# Altium PCB omni_wheel_car_frame.PcbDoc
Units mil, origin at the board's own origin, x right, y up, seen from the top; angles counter-clockwise.
Board outline 4820 x 4820 mil, 2 copper layers (Top Layer, Bottom Layer); 85 components, 75 nets, 366 pads, 76 vias.
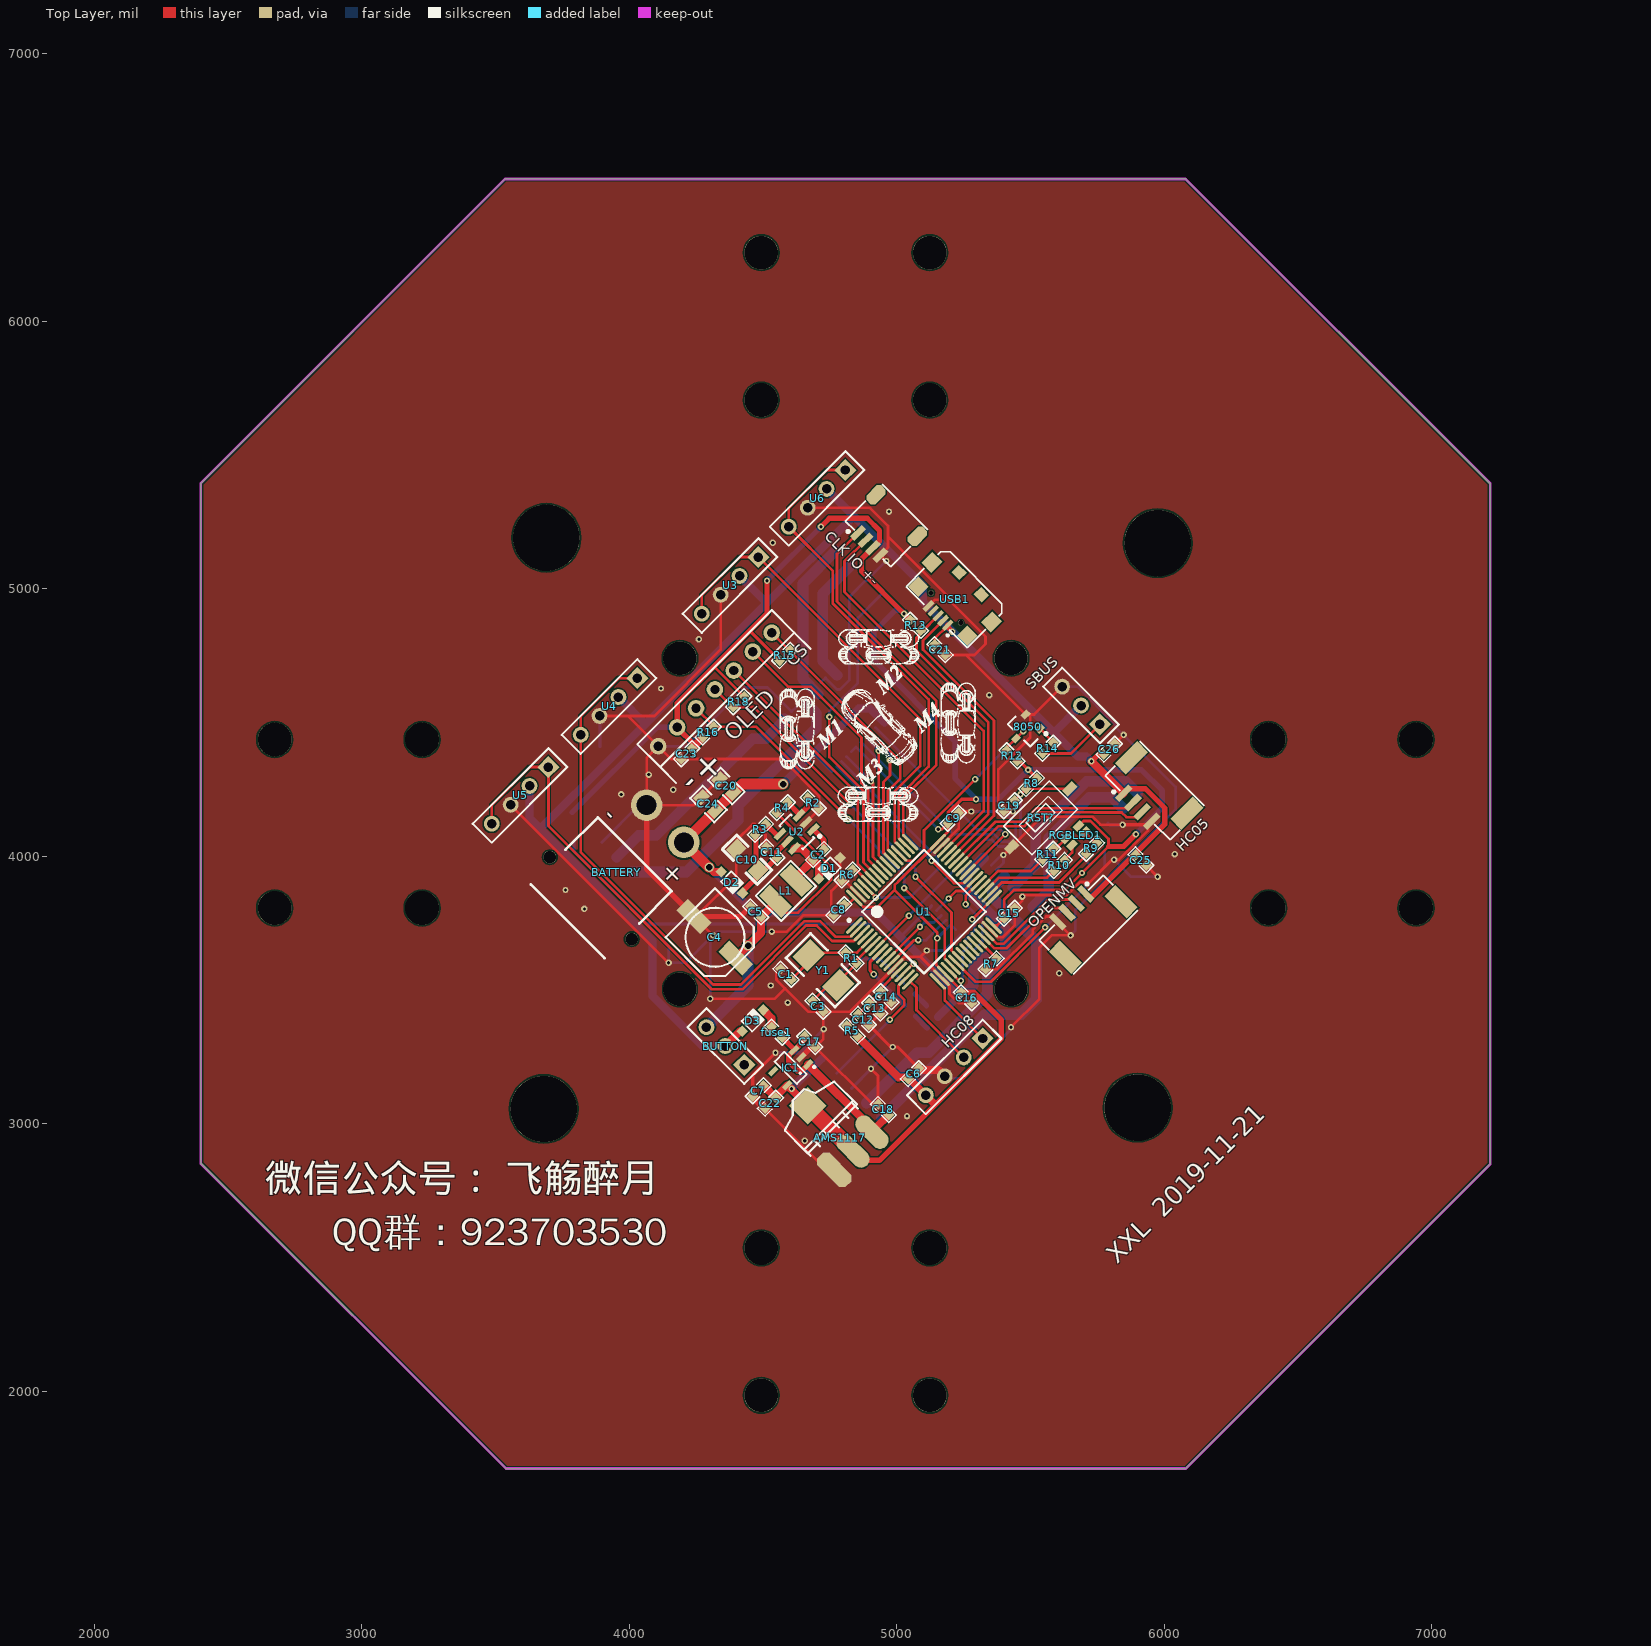
[diagram p0: Top Layer view]
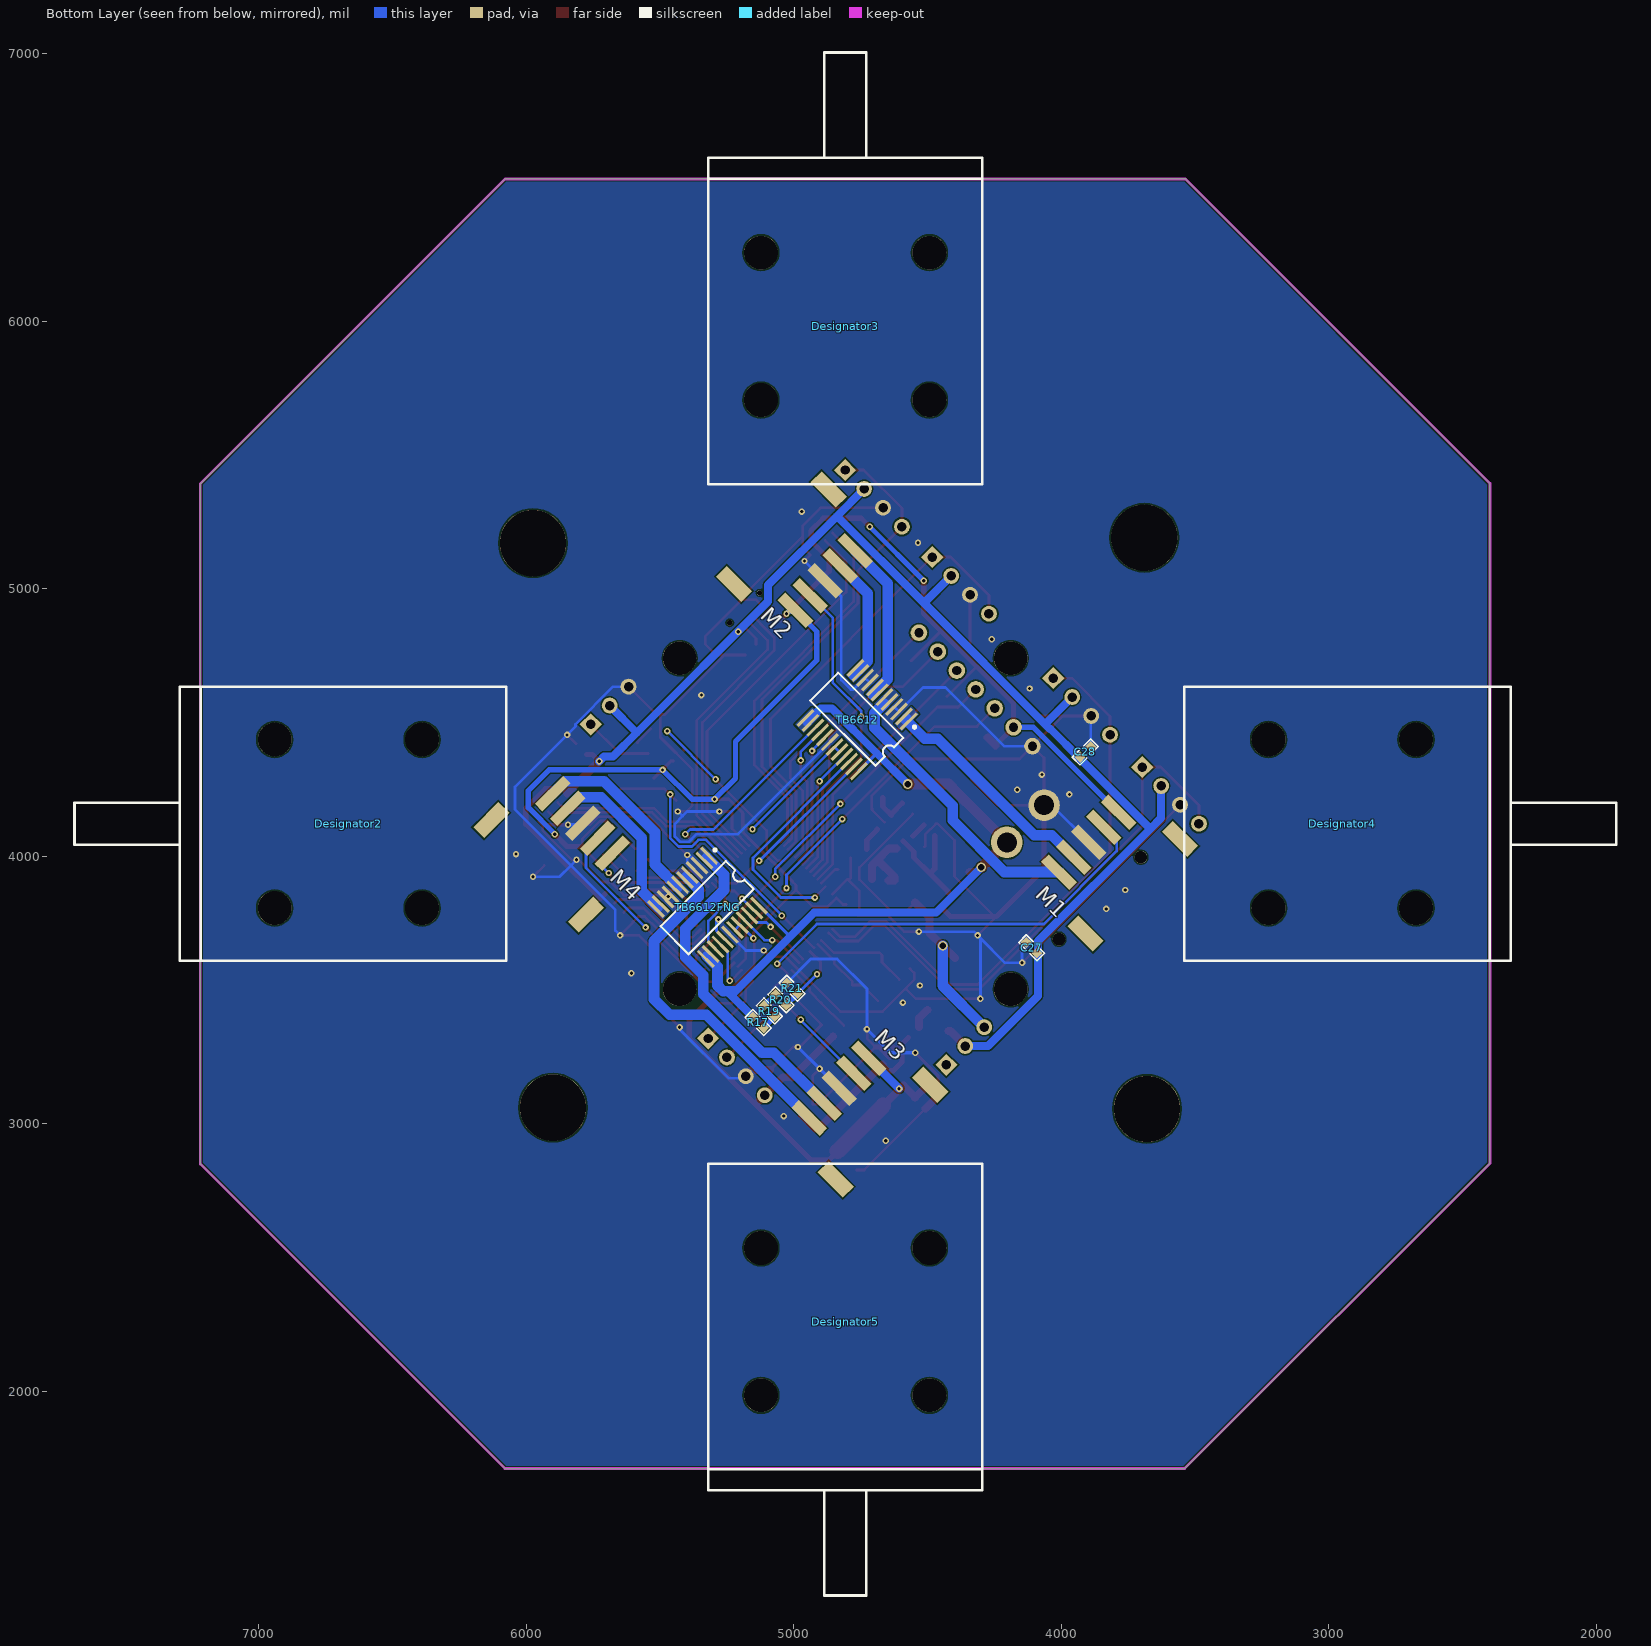
[diagram p1: Bottom Layer view, seen from below]

## Layer stack, top to bottom
Top Solder: solder mask 0.4, Solder Resist, Dk 3.5
Top Layer: signal copper 1.4
Dielectric 1: dielectric 12.6, FR-4, Dk 4.8
Bottom Layer: signal copper 1.4
Bottom Solder: solder mask 0.4, Solder Resist, Dk 3.5

## Board outline
2398.09,2851.91 2398.09,5393.09 3535.84,6530.84 6079.16,6530.84 7218.09,5391.91 7218.09,2848.92 6080,1710.84 3539.16,1710.84

## Design rules (kind name [scope] priority, off if disabled: settings)
Clearance [All] p1: gap=6
PolygonConnect [All] p1: connectstyle=Direct reliefconductorwidth=10 reliefentries=4 polygonreliefangle="90 Angle" airgapwidth=10
RoutingVias [All] p1: holewidth=28 width=50 viastyle="Through Hole" minholewidth=12 minwidth=24 maxholewidth=28 maxwidth=50
SolderMaskExpansion [All] p1: expansion=4
Width [All] p1: maxlimit=60 minlimit=10 preferedwidth=10
30 further rules are at their usual default settings.

## Components (designator, comment, footprint, x,y, rotation, side; value= is the part's Value field where it differs from the comment)
8050 "SS8050" SOT23-3L 5476.3,4470.86 r135 top
AMS1117 "AMS1117-3.3" AMS1117 4765.59,2826.85 r45 top
BATTERY "XT30卧贴" XT30卧贴 4009.05,3689.5 r135 top
BUTTON "bodongkaiguan" HDR1X3 4429.78,3219.28 r135 top
C1 "20p" 0603P 4585.35,3558.69 r315 top
C2 "103" 0603P 4706.97,4005.58 r45 top
C3 "20p" 0603P 4705.55,3438.48 r135 top
C4 "220uF" CC6.56.5 4320.18,3696.57 r135 top
C5 "104" 0603P 4472.21,3792.03 r315 top
C6 "104" 0603P 5062.64,3187.46 r225 top
C7 "104" 0603P 4481.4,3122.4 r45 top
C8 "104" 0603P 4783.34,3799.1 r45 top
C9 "104" 0603P 5211.14,4142.05 r225 top
C10 "10uF" 1206 4440.39,3986.49 r315 top
C11 "104" 0603P 4532.31,4014.77 r315 top
C12 "104" 0603P 4875.26,3388.98 r135 top
C13 "104" 0603P 4917.69,3431.41 r135 top
C14 "10UF" 0603P 4960.11,3473.84 r135 top
C15 "104" 0603P 5421.15,3786.38 r225 top
C16 "100UF" 0603P 5260.63,3470.3 r135 top
C17 "104" 0603P 4675.15,3306.25 r135 top
C18 "10UF" 0603P 4949.51,3053.11 r315 top
C19 "104" 0603P 5419.73,4188.01 r45 top
C20 "10uF" 0805 4362.61,4262.26 r315 top
C21 "10UF" 0603P 5161.64,4771.38 r135 top
C22 "104" 0603P 4527.36,3076.44 r45 top
C23 "104" 0603P 4214.12,4382.47 r45 top
C24 "10uF" 0805 4295.43,4195.08 r315 top
C25 "104" 0603P 5912.59,3985.07 r135 top
C26 "104" 0603P 5794.5,4400.15 r225 top
C27 "104" 0603P 4111.59,3657.68 r225 bottom
C28 "104" 0603P 3910.06,4389.54 r315 bottom
"CLK IO +-" "SWD" SH1.0-4P 4854.94,5208.18 r315 top
D1 "1N5819" SOD-323 4747.98,3954.67 r45 top
D2 "1N5819" SOD-323 4383.82,3901.64 r135 top
D3 "1N4148" SOD-323 4461.6,3385.45 r225 top
Designator2 "Comment" 370motor 6665,4120.84 r90 bottom
Designator3 "Comment" 370motor 4808.09,5980 r180 bottom
Designator4 "Comment" 370motor 2950,4120.84 r270 bottom
Designator5 "Comment" 370motor 4808.09,2260 r0 bottom
fuse1 "FUSE" 0603P 4552.11,3341.61 r135 top
HC05 "Header 4" GH1.25-4P 5847.78,4234.89 r315 top
HC08 "Header 4" HDR1X4 5320.74,3318.27 r225 top
IC1 "XC6204B332MR" SOT23-5L 4603.02,3208.67 r135 top
L1 "Inductor" L__1210 4578.28,3869.82 r225 top
M1 "Header 5" PH2.0卧贴5P 3556.51,4064.27 r315 bottom
M2 "Header 5" PH2.0卧贴5P 5223.36,5016.94 r135 bottom
M3 "Header 5" PH2.0卧贴5P 4489.89,3145.03 r315 bottom
M4 "Header 5" PH2.0卧贴5P 5776.82,3781.43 r45 bottom
OLED "OLED_0.96_7P" OLED_7P 4249.47,4269.33 r135 top
OPENMV "Header 4" GH1.25-4P 5705.55,3858.65 r225 top
R1 "1M" 0603P 4829.3,3618.79 r135 top
R2 "9.53K" 0603P 4687.88,4198.62 r135 top
R3 "100K" 0603P 4489.89,4099.62 r45 top
R4 "49.9K" 0603P 4571.2,4180.94 r45 top
R5 "0R" 0603P 4832.83,3346.56 r315 top
R6 "10K" 0603P 4815.16,3929.92 r225 top
R7 "10K" 0603P 5352.56,3597.58 r225 top
R8 "10K" 0603P 5503.57,4271.76 r225 top
R9 "10K" 0603P 5727.32,4028.91 r45 top
R10 "10K" 0603P 5607.12,3965.27 r225 top
R11 "10K" 0603P 5564.69,4007.7 r225 top
R12 "10K" 0603P 5430.34,4375.4 r315 top
R13 "1.5K" 0603P 5069.71,4863.3 r315 top
R14 "1K" 0603P 5564.69,4403.68 r225 top
R15 "45K" 0603P 4581.81,4750.16 r225 top
R16 "45K" 0603P 4295.43,4463.78 r225 top
R17 "10K" 0603P 5133.35,3378.38 r225 bottom
R18 "45K" 0603P 4408.57,4576.92 r45 top
R19 "10K" 0603P 5090.93,3420.8 r45 bottom
R20 "10K" 0603P 5048.41,3463.32 r225 bottom
R21 "10K" 0603P 5006.08,3505.66 r45 bottom
RGBLED1 "RGB_LED_1615" RGB_LED_1615 5702.58,4089.02 r225 top
RST? "KEY_M" KEY_SOP3625 5646.01,4251.65 r225 top
SBUS "HEADER3" HDR1X3 5759.14,4492.07 r135 top
TB6612 "TB6612" ssop24 4570.4,4503.68 r315 bottom
TB6612FNG "TB6612" ssop24 5316.37,4001.47 r225 bottom
U1 "STM32F103RET6" STM-LQFP64_M 5101.53,3792.03 r45 top
U2 "MP2359" SOT-23-6 4687.74,4099.76 r225 top
U3 "Header 4" HDR1X4 4482.82,5117.86 r225 top
U4 "Header 4" HDR1X4 4030.27,4665.31 r225 top
U5 "Header 4" HDR1X4 3697.93,4332.97 r225 top
U6 "Header 4" HDR1X4 4808.09,5443.13 r225 top
USB1 "USB-5P" MICRO_USB 5154.57,4898.66 r135 top
Y1 "8MHz" 5032 4775.99,3456.8 r135 top

## Footprints (in the part's own frame and the unit in brackets; to place one, negate y for a bottom-side part, rotate by r counter-clockwise, add the part's x,y. Pads: shape width x height; smd on the part's side, far side on the other; paste and mask are expansions set on the pad)
370motor [mm]
  round 3.2 hole 3.2: 0(-8,-7) 0(-8,7) 0(8,-7) 0(8,7)
  silkscreen extent -13,-15 13,26
0603P [mil]
  rect 30x30 smd: 1(-28,0) 2(28.5,-0.06)
  silkscreen extent -48,-20 49,20
0805 [mil]
  rect 39.37x50 smd: 1(-36,0) 2(36,0)
  silkscreen extent -63,-33 64,33
1206 [mil]
  rect 51.18x60 smd: 1(-57.5,0) 2(57.5,0)
  silkscreen extent -93,-38 93,38
5032 [mm]
  rect 2x2.4 smd: 1(1,-1.2) 2(5,-1.2)
  silkscreen extent -0.25,-2.79 6.35,0.51
AMS1117 [mil]
  oct 65x150 smd: 1(0.03,-0.06)
  oval 65x150 smd: 2(100.03,-0.06) 3(200.03,-0.06)
  rect 100x100 smd: 4(100.03,239.94)
  silkscreen extent -26,100 234,293
CC6.56.5 [mm]
  rect 3.2x1.5 smd: 1(-2.794,0) 2(2.8,0)
  silkscreen extent -3.3,-3.3 3.3,3.3
GH1.25-4P [mm]
  rect 0.6x1.8 smd: 1(0,0) 2(1.25,0) 3(2.5,0) 4(3.75,0)
  rect 1.5x3 smd: A(-1.85,2.9) B(5.6,2.9)
  silkscreen extent -2.41,-0.7 6.22,4.57
HDR1X3 [mm]
  rect 1.5x1.5 hole 0.9: 1(0,0)
  round 1.5 hole 0.9: 2(2.54,0) 3(5.08,0)
  silkscreen extent -1.27,-1.27 6.35,1.27
HDR1X4 [mm] "Connector; Header; 4 Position"
  rect 1.5x1.5 hole 0.9: 1(0,0)
  round 1.5 hole 0.9: 2(2.54,0) 3(5.08,0) 4(7.62,0)
  silkscreen extent -1.27,-1.27 8.89,1.27
KEY_SOP3625 [mm]
  rect 1.3x0.8 smd: 1(0,0) 2(7.8,0)
  silkscreen extent 0.85,-1.9 6.95,1.9
L__1210 [mm]
  rect 1.5x3 smd: 1(-1.521,0.127) 2(1.267,0.127)
  silkscreen extent -2.46,-1.57 2.21,1.83, body extent -2.02,-1.38 1.46,1.63, height 1.9
MICRO_USB [mm]
  rect 1.35x1.5 smd: 0(-4,-3.16) 0(4,-3.16)
  rect 1.4x1.4 smd: 0(-3.3,-0.6) 0(3.3,-0.6)
  round 0.5 hole 0.5 paste+0 mask+0: 0(-2.007,-1.041) 0(2.007,-1.041)
  rect 1.1x1 smd: 0(-1.5,-4.3) 0(1.5,-4.3)
  rect 0.4x1.2 smd: 1(-1.3,0) 2(-0.65,0) 3(0,0) 4(0.65,0) 5(1.3,0)
  silkscreen extent -4.11,-5.08 4.11,0.79, body extent -3.9,-4.72 3.9,0.28, height 2.83
OLED_7P [mil]
  round 62 hole 35: 1(200,0) 2(200,-100) 3(200,-200) 4(200,-300) 5(200,-400) 6(200,-500) 7(200,-600)
  silkscreen extent 55,-660 260,50
PH2.0卧贴5P [mm]
  rect 1.5x3.4 smd: 0(0,0) 0(12.7,0)
  rect 1x3.8 smd: 1(2.35,-5.9) 2(4.35,-5.9) 3(6.35,-5.9) 4(8.35,-5.9) 5(10.35,-5.9)
RGB_LED_1615 [mm]
  rect 1x0.65 smd: 1(0,0) 2(1.7,0) 3(0,-0.85) 4(1.7,-0.85)
SH1.0-4P [mm]
  rect 0.6x1.55 smd: 1(0,0) 2(1,0) 3(2,0) 4(3,0)
  oct 1.2x2 smd: A(-1.346,3.759) B(4.21,3.759)
  silkscreen extent -1.63,-0.7 4.48,4.89
SOD-323 [mm]
  rect 0.8x0.8 smd: 1(1.422,0) 2(-1.422,0)
  silkscreen extent -0.79,-0.74 0.79,0.69
SOT23-3L [mm]
  rect 0.6x0.8 smd: 1(-0.95,-1.143) 2(0.95,-1.143) 3(0,1.125)
  silkscreen extent -1.83,-1.34 1.5,0.7, body extent -1.5,-1.2 1.5,1.2, height 1.05
SOT23-5L [mm]
  rect 0.45x1 smd: 1(-0.95,-1.4) 2(0,-1.4) 3(0.95,-1.4) 4(0.95,1.4) 5(-0.95,1.4)
  silkscreen extent -1.6,-1.73 1.5,0.66, body extent -1.5,-1.4 1.5,1.4, height 1.15
SOT-23-6 [mil]
  rect 50x20 smd: 1(0,0) 2(0,-37.4) 3(0,-74.8) 4(100,-74.8) 5(100,-37.4) 6(100,0)
  silkscreen extent 0,-99 80,35
ssop24 [mm] "SSOP24"
  rect 2.15x0.305 smd: 1(0,0) 2(0,-0.65) 3(0,-1.3) 4(0,-1.95) 5(0,-2.6) 6(0,-3.25) 7(0,-3.9) 8(0,-4.55) 9(0,-5.2) 10(0,-5.85) 11(0,-6.5) 12(0,-7.15) 13(6.7,-7.15) 14(6.7,-6.5) 15(6.7,-5.85) 16(6.7,-5.2) 17(6.7,-4.55) 18(6.7,-3.9) 19(6.7,-3.25) 20(6.7,-2.6) 21(6.7,-1.95) 22(6.7,-1.3) 23(6.7,-0.65) 24(6.7,0)
  silkscreen extent -0.12,-8 5.22,0.9
STM-LQFP64_M [mm] "Thin QFP, 64-Leads, Body 10x10mm, Pitch 0.5mm, IPC Low Density"
  oval 2.1x0.3 smd: 1(-5.6,3.75) 2(-5.6,3.25) 3(-5.6,2.75) 4(-5.6,2.25) 5(-5.6,1.75) 6(-5.6,1.25) 7(-5.6,0.75) 8(-5.6,0.25) 9(-5.6,-0.25) 10(-5.6,-0.75) 11(-5.6,-1.25) 12(-5.6,-1.75) 13(-5.6,-2.25) 14(-5.6,-2.75) 15(-5.6,-3.25) 16(-5.6,-3.75) 33(5.6,-3.75) 34(5.6,-3.25) 35(5.6,-2.75) 36(5.6,-2.25) 37(5.6,-1.75) 38(5.6,-1.25) 39(5.6,-0.75) 40(5.6,-0.25) 41(5.6,0.25) 42(5.6,0.75) 43(5.6,1.25) 44(5.6,1.75) 45(5.6,2.25) 46(5.6,2.75) 47(5.6,3.25) 48(5.6,3.75)
  oval 0.3x2.1 smd: 17(-3.75,-5.6) 18(-3.25,-5.6) 19(-2.75,-5.6) 20(-2.25,-5.6) 21(-1.75,-5.6) 22(-1.25,-5.6) 23(-0.75,-5.6) 24(-0.25,-5.6) 25(0.25,-5.6) 26(0.75,-5.6) 27(1.25,-5.6) 28(1.75,-5.6) 29(2.25,-5.6) 30(2.75,-5.6) 31(3.25,-5.6) 32(3.75,-5.6) 49(3.75,5.6) 50(3.25,5.6) 51(2.75,5.6) 52(2.25,5.6) 53(1.75,5.6) 54(1.25,5.6) 55(0.75,5.6) 56(0.25,5.6) 57(-0.25,5.6) 58(-0.75,5.6) 59(-1.25,5.6) 60(-1.75,5.6) 61(-2.25,5.6) 62(-2.75,5.6) 63(-3.25,5.6) 64(-3.75,5.6)
  silkscreen extent -5.72,-4.15 4.15,4.57, body extent -5,-5 5,5, height 1.6
XT30卧贴 [mm]
  round 1.2 hole 1.2: 0(0,0) 0(11,0)
  round 3 hole 1.9: 1(3,-10) 2(8,-10)
  silkscreen extent 0.55,-5.9 10.45,3.1

## Part data
8050: library part 8050-SMD, "高频放大-NPN型"
AMS1117: library part AMS1117
C1 C2 C3 C5 C10 C11 C12 C13 C14 C20 C24: library part C
C4: library part CAP
C6 C7 C8 C9 C15 C16 C17 C18 C19 C21 C22 C23 C25 C26 C27 C28: library part C_1
"CLK IO +-": library part "Header 4", "Header, 4-Pin"
D1 D2 D3: library part D
HC05 HC08 OPENMV U3 U4 U5 U6: "Header, 4-Pin"
IC1: library part "LDO XC6204", "LDO"
L1: "电感"
M1 M2 M3 M4: "Header, 5-Pin"
R1: library part R_1
R2 R3 R4 R5 R6 R7 R8 R9 R10 R11 R12 R13 R14 R15 R16 R17 R18 R19 R20 R21: library part R
SBUS: library part bodongkaiguan
TB6612 TB6612FNG: library part TB6612FNG, "Motor driver with 2 H bridge"
U2: "DC DC Step Down IC"
USB1: "微型USB母座"
Y1: library part XTAL, "Crystal Oscillator"

## Free pads (board coordinates)
  round 125 hole 125: 0(4189.37,3502.12) 0(4189.37,4739.56) 0(5426.8,3502.12) 0(5426.8,4739.56)
  round 248 hole 248: 2(3680,3055) 2(3690,5190) 2(5900,3060) 2(5975,5170)

## Via types
v1: diameter 24, hole 12, Top Layer to Bottom Layer, 73 vias
v2: diameter 36, hole 24, Top Layer to Bottom Layer, 3 vias

## Nets (pads, with @x,y where several pads share a name; then routed paths per layer and width w, separated by ;. In a path a pad name is that pad's centre, name@x,y a point inside that pad or via, vN(x,y) a via of type N, cw(c..) or ccw(c..) an arc to the next point about the centre after c; other vN are vias at no path point)
3V3: "CLK IO +-.3" AMS1117.2 AMS1117.4 C6.2 C7.2 C8.2 C9.2 C15.2 C16.2 C22.2 C23.2 HC08.4 IC1.5 M1.1 M2.1 M3.1 M4.1 OLED.2 R5.2 R8.1 R12.2 R13.1 R15.2 R16.2 R18.2 RGBLED1.3 TB6612.19 TB6612.20 TB6612FNG.19 TB6612FNG.20 U1.19 U1.32 U1.48 U1.64 | length 9524.2
  Top Layer w10: R16.2@4275.24,4443.5 R16.2 ; 4316.29,4708.8 4428.06,4597.03 R18.2 ; C8.2 4816.92,3819.21 U1.64 4875.07,3809.71 4928.29,3809.71 4991.93,3873.35 ; 5004.21,3903.5 4991.93,3891.22 4991.93,3873.35 ; v1(5154.57,4100.46) 5169.45,4100.46 C9.2 ; C16.2 5240.53,3499.93 U1.19 5147.5,3592.96 5147.5,3689.5 v1(5151.03,3693.04) 5151.03,3714.25 4991.93,3873.35 ; U1.32 5375.21,3740.53 C15.2 5400.95,3836.89 5437.41,3873.35 5628.33,3873.35 v1(5691.97,3936.99) 5790.96,4035.99 5790.96,4064.27 5723.79,4131.44 5697.68,4131.44 RGBLED1.3
  Top Layer w12: 4449.58,4842.09 R15.2 ; 5004.21,3903.5 U1.48 5190.94,4090.23 C9.2 5190.94,4161.45 5242.25,4212.76 v1(5295.99,4212.76) ; R12.2 5459.73,4355.2 R8.1
  Top Layer w20: 4245.98,4414.24 OLED.2 4178.76,4571.27 4316.29,4708.8 4449.58,4842.09 4514.64,4907.14 v1(4514.64,5029.47) ; v1(4716.16,5231) 4747.98,5262.82 4889.4,5262.82 4935.36,5216.85 4935.36,5177.24 4910.62,5152.5 4868.19,5110.07 4868.19,5064.83 v1(5027.29,4905.73) R13.1 ; AMS1117.2 4871.02,2862.9 4934.66,2862.9 5390.74,3318.98 5390.74,3387.66 5287.9,3490.5 C16.2 ; 5790.96,4035.99 5847.53,4035.99 v1(5893.49,4081.95)
  Top Layer w29: C7.2 C22.2 4547.56,3100.31 IC1.5 4602.94,3130.81 4666.5,3067.25 AMS1117.4 ; 5006.03,3173.27 5041.48,3173.27 HC08.4 5140.07,3074.67
  Top Layer w30: 4245.98,4414.24 R16.2@4275.24,4443.5 ; v1@4602.94,3130.81 v1(4606.5,3130.81) ; R5.2 5006.03,3173.27
  Top Layer w60: AMS1117.4 AMS1117.2
  Bottom Layer w10: TB6612.20 TB6612.19 v1(5154.57,4100.46) ; v1(5151.03,3693.04) 5200.56,3742.56 TB6612FNG.20 TB6612FNG.19 ; M4.1 5722.03,3967.06 v1(5691.97,3936.99)
  Bottom Layer w20: M1.1 4104.54,4481.46 OLED.2 ; v1(4514.64,5029.47) v1(4716.16,5231) ; v1(5027.29,4905.73) 5014.9,4918.11 M2.1 4914.15,4838.58 4914.15,4732.49 5218.21,4428.43 5218.21,4290.54 v1(5295.99,4212.76) 5380.84,4212.76 v1(5490.44,4322.36) 5914.71,4322.36 5992.49,4244.58 5992.49,4180.94 v1(5893.49,4081.95)
  Bottom Layer w30: v1(4606.5,3130.81) M3.1
5V: BUTTON.2 C21.2 C25.2 C26.2 C27.2 C28.2 D3.1 HC05.1 OPENMV.1 SBUS.2 U3.2 U4.2 U5.2 U6.2 USB1.1 | length 5965.4
  Top Layer w10: C21.2 5141.53,4813.24 USB1.1
  Top Layer w20: USB1.1 5190.76,4855.39 v1(5207.6,4838.55) ; OPENMV.1 5723.23,3840.97 5890,4007.75 6001.59,4119.33 6001.59,4178.92 5928.85,4251.65 5864.54,4251.65 HC05.1 ; v1(5727.32,4354.18) 5753.18,4380.04 C26.2
  Top Layer w30: BUTTON.2 4414.93,3345.85 D3.1 ; v1(5727.32,4354.18) 5728.49,4354.18 HC05.1
  Bottom Layer w30: U5.2 3627.22,4142.05 3666.11,4103.16 ; U4.2 4061.03,4493.13 ; BUTTON.2 4274.22,3289.99 4086.84,3477.37 4086.84,3682.43 3666.11,4103.16 ; U3.2 4513.58,4945.68 ; U6.2 4839.91,5269.89 ; SBUS.2 5586.96,4461.31 ; v1(5727.32,4354.18) 5709.65,4371.86 5676.41,4371.86 5586.96,4461.31 ; 3666.11,4103.16 3668.7,4103.16 3932.62,4367.07 4039.93,4474.39 4042.29,4474.39 4061.03,4493.13 ; 4061.03,4493.13 4513.58,4945.68 ; 4513.58,4945.68 4837.78,5269.89 4839.91,5269.89 ; 4839.91,5269.89 5096.86,5012.94 5096.86,4951.42 5586.96,4461.31
5V_MP: BUTTON.3 C4.1 C5.2 L1.2 R4.1 | length 1240.9
  Top Layer w10: L1.2@4546.53,3826.05 4584.08,3788.5 4631.31,3788.5 4755.05,3912.24 4755.05,3957.5 R4.1@4554.94,4157.61
  Top Layer w30: C4.1 v2(4443.93,3664.75) ; v2@4445.14,3665.97 4492.32,3713.15 C5.2 L1.2@4546.53,3826.05
  Top Layer w40: v2(4443.93,3664.75) v2@4445.14,3665.97
  Bottom Layer w40: BUTTON.3 4443.93,3516.26 v2(4443.93,3664.75)
5V_VCC: AMS1117.3 C17.2 C18.2 fuse1.1 IC1.1 IC1.3 | length 703
  Top Layer w20: fuse1.1 4615.55,3278.17 IC1.3 ; C17.2 4655.04,3313.58 IC1.3 ; IC1.1 4645.31,3198.06 4627.77,3198.06 4595.95,3229.88 4595.95,3254.49 IC1.3
  Top Layer w30: IC1.1 4907.08,2982.56 4919.27,2982.56 C18.2
12V_BAT: BATTERY.1 C20.2 C24.2 D2.1 R17.1 TB6612.13 TB6612.14 TB6612.24 TB6612FNG.13 TB6612FNG.14 TB6612FNG.24 | length 2860.4
  Top Layer w30: v2(4298.97,3958.2) 4315.94,3941.23 D2.1
  Top Layer w40: v2(4298.97,3958.2) 4297.13,3958.2 BATTERY.1 4321.52,4169 4388.69,4236.17 4421.85,4269.33 v2(4574.74,4269.33)
  Bottom Layer w12: 4689.74,4384.33 TB6612.24 ; 5022.92,3708.02 TB6612FNG.24
  Bottom Layer w30: v2(4298.97,3958.2) 4468.67,3788.5 4924.05,3788.5 5217.5,3495.05 5224.57,3495.05 ; v2(4574.74,4269.33) 4689.74,4384.33 4857.58,4552.17 4900.01,4552.17 4953.04,4499.14 ; R17.1 5250.03,3495.05 5264.17,3495.05
  Bottom Layer w40: 5224.57,3495.05 5250.03,3495.05 ; 5264.17,3495.05 5285.38,3516.26 5285.38,3586.97 5324.27,3625.86
ADC1: R20.2 R21.1 U1.8 | length 269.1
  Top Layer w12: v1(4913.44,3558.69) 4900.01,3572.12 4900.01,3604.43 U1.8
  Bottom Layer w12: v1(4913.44,3558.69) R21.1
  Bottom Layer w20: R21.1 4986.28,3485.15 R20.2
ADC2: U1.9
BOOT0: R6.1 U1.60 | length 82.9
  Top Layer w10: R6.1 4846.41,3949.72 U1.60
BOOT1: R7.1 U1.28 | length 99
  Top Layer w10: U1.28 5365.29,3625.72 R7.1@5365.29,3610.31
GND: 8050.2 "CLK IO +-.4" AMS1117.1 BATTERY.2 C1.1 C3.1 C4.2 C5.1 C6.1 C7.1 C8.1 C9.1 C10.1 C11.1 C12.1 C13.1 C14.1 C15.1 C16.1 C17.1 C18.1 C19.1 C20.1 C21.1 C22.1 C23.1 C24.1 C25.1 C26.1 C27.1 C28.1 D1.1 HC05.4 HC08.3 IC1.2 M1.3 M2.3 M3.3 M4.3 OLED.1 OPENMV.4 R2.1 R6.2 R7.2 R21.2 RST?.2 SBUS.3 TB6612.3 TB6612.4 TB6612.9 TB6612.10 TB6612.18 TB6612FNG.3 TB6612FNG.4 TB6612FNG.9 TB6612FNG.10 TB6612FNG.18 U1.12 U1.18 U1.31 U1.47 U1.63 U2.2 U3.3 U4.3 U5.3 U6.3 USB1.5 | length 19573.5
  Top Layer w10: U5.3 v1(4146.94,3601.11) ; U4.3 3994.91,4523.89 ; v1(4302.5,3466.76) 4542.92,3466.76 4581.81,3505.66 ; v1(4313.11,3703.65) C4.2 4249.64,3774.52 4399.73,3924.62 C10.1 4399.73,4058.97 4461.6,4120.84 4468.67,4120.84 4509.06,4080.45 4509.06,4038.02 C11.1 ; C20.1 C24.1 4240.04,4190.6 BATTERY.2 4064.73,4367.43 OLED.1 ; U3.3 4341.39,4771.38 4093.91,4523.89 3994.91,4523.89 ; C22.1 4737.38,2826.83 AMS1117.1 ; v1(4532.31,3717.79) 4588.88,3717.79 4650.4,3779.31 C8.1 4755.05,3787.79 4755.05,3869.82 4794.96,3909.72 R6.2 4787.58,3917.19 D1.1 ; C1.1 4549.99,3562.93 4549.99,3537.48 4581.81,3505.66 ; U2.2 4707.68,4172.6 R2.1 ; U6.3 4900.01,5301.71 4967.18,5234.53 4967.18,5193.96 ; R2.1@4709.09,4177.41 4709.09,4225.49 4571.91,4362.67 C23.1 4156.13,4362.67 OLED.1 ; R6.2@4798.88,3913.73 U1.63 ; C12.1 C14.1 ; v1(4903.54,3205.13) 4929.71,3178.97 C18.1 4908.49,3072.91 C17.1 4725.35,3316.86 C3.1 ; v1(4960.11,5103.01) 4938.46,5124.66 4967.18,5153.39 4967.18,5193.96 ; v1(5112.14,3647.08) 5088.84,3623.78 ; USB1.5 5142.29,4958.76 5193.46,4958.76 ; U1.47 5230.94,4102.39 C9.1 5235.89,4166.8 v1(5278.31,4166.8) ; C21.1 5259.22,4751.58 ; C16.1 5230.94,3450.5 5196.99,3484.44 5196.99,3515.62 U1.18 5088.84,3623.78 ; R7.2 5374.88,3577.47 5508.12,3710.72 5508.12,3724.86 5557.62,3774.36 5581.06,3774.36 OPENMV.4 5601.16,3752.03 v1(5649.54,3703.65) 5578.83,3703.65 5532.87,3657.68 5532.87,3466.76 v1(5426.8,3360.7) ; U1.31 5377.95,3696.57 5394.98,3696.57 5440.95,3742.54 C15.1 5469.23,3834.46 v1(5469.23,3848.6) 5474.62,3854 5635.23,3854 5684.29,3903.06 5721.68,3903.06 5803.32,3984.7 5828.77,3984.7 5938.98,4094.91 HC05.4@5938.98,4117.3 ; v1(5398.52,4004.17) RST?.2 5541.8,4147.44 5730.42,4147.44 5760.56,4117.3 v1(5844,4117.3) ; v1(5433.87,4166.8) 5432.46,4168.21 C19.1 5379.16,4188.98 5379.16,4324.22 5499.21,4444.27 5499.21,4529.12 ; SBUS.3 5513.35,4529.12 5499.21,4529.12 ; C26.1 v1(5847.53,4453.18) ; C25.1 v1(5974.81,3922.85) ; 3994.91,4523.89 OLED.1 ; 4581.81,3505.66 4668.79,3418.68 C3.1 ; C3.1 4825.62,3418.68 5030.71,3623.78 5088.84,3623.78 ; 4967.18,5193.96 5193.46,4967.68 5193.46,4958.76 ; 5193.46,4958.76 5331.34,4820.87 5331.34,4792.59 5290.33,4751.58 5259.22,4751.58 ; 5259.22,4751.58 8050.2 5499.21,4529.12
  Top Layer w12: C7.1 4461.6,3180.39 v1(4546.46,3265.24) ; C12.1 4977.79,3286.45 v1(4984.86,3286.45) 5003.25,3286.45 C6.1@5089.51,3200.18 ; v1(5844,4117.3) HC05.4@5935.92,4117.3 ; HC05.4@5938.98,4117.3 HC05.4
  Top Layer w20: BATTERY.2 4064.73,3952.02 C4.2 ; C4.2@4249.64,3774.52 4415.1,3774.52 C5.1 ; IC1.2 4680.81,3286.45 C17.1
  Top Layer w29: C7.1 C22.1
  Top Layer w30: C6.1@5089.51,3200.18 5155.98,3200.18 HC08.3
  Bottom Layer w10: U4.3 3890.26,4522.48 C28.1 ; M1.3 4036.39,4190.6 BATTERY.2 ; OLED.1 4214.12,4410.75 4433.32,4629.96 4516.5,4629.96 TB6612.3 TB6612.4 ; C27.1 4146.94,3661.93 v1(4146.94,3601.11) 4210.58,3601.11 4302.5,3693.04 ; v1(4302.5,3466.76) 4302.5,3693.04 ; v1(4532.31,3717.79) 4327.25,3717.79 v1(4313.11,3703.65) 4302.5,3693.04 ; TB6612.9 TB6612.10 4776.9,4622.88 4786.87,4622.88 4822.23,4658.24 4822.23,4969.37 M2.3 4886.57,5029.47 v1(4960.11,5103.01) ; v1(4726.77,3353.63) 4726.77,3504.24 4837.78,3615.26 4936.78,3615.26 R21.2 ; TB6612.18 5209.27,4081.95 5363.16,4081.95 5391.45,4053.66 5425.39,4053.66 5444.48,4072.76 5444.48,4120.84 5416.2,4149.12 ; v1(5112.14,3647.08) 5179.12,3647.08 TB6612FNG.18 ; HC08.3@5186.39,3169.78 5243.7,3169.78 5426.8,3352.88 v1(5426.8,3360.7) ; v1(5278.31,4166.8) 5398.52,4166.8 5416.2,4149.12 ; TB6612FNG.3 5391.45,4004.17 v1(5398.52,4004.17) 5398.52,3975.05 TB6612FNG.4 ; v1(5433.87,4166.8) 5416.2,4149.12 ; SBUS.3 5675.04,4633.49 5815.81,4492.72 5815.81,4484.9 v1(5847.53,4453.18) 6041.99,4258.72 6041.99,4173.87 5833.39,3965.27 ; v1(5649.54,3703.65) 5667.22,3721.32 5667.22,3799.1 5833.39,3965.27 ; v1(5812.18,3986.49) 5833.39,3965.27 ; v1(5974.81,3922.85) 5875.82,3922.85 5833.39,3965.27
  Bottom Layer w12: v1(4546.46,3265.24) 4638.38,3265.24 v1(4726.77,3353.63) ; M3.3 v1(4903.54,3205.13) v1(4984.86,3286.45) ; M4.3 5794.5,4117.3 v1(5844,4117.3)
  other v1: 4656.06,2936.43 5037.9,3028.36 4592.42,3452.62 4528.78,3516.26 5607.12,3562.22 3832.28,3802.64 3761.57,3873.35 6038.45,4007.7 3970.16,4230.44 4164.62,4248.12 4072.69,4304.69 5345.49,4601.67 4118.66,4626.42 4260.08,4810.27 4535.85,5170.89 4970.72,5287.56
LEDB: R11.2 U1.36 | length 266.8
  Top Layer w10: U1.36 5378.84,3944.06 5500.96,3944.06 R11.2
LEDG: R10.2 U1.35 | length 283.5
  Top Layer w10: U1.35 5381.93,3919.31 5561.06,3919.31 R10.2
LEDR: R9.1 U1.34 | length 424.5
  Top Layer w10: U1.34 5392.09,3901.64 5607.12,3901.64 R9.1@5711.06,4005.58
M1_N: M1.5 TB6612.5 TB6612.6 | length 1049.4
  Bottom Layer w40: M1.5 4213.19,3940.39 4406.41,4133.61 4406.41,4188.01 4698.48,4480.09 4698.48,4534.5 4663.13,4569.85
M1_P: M1.4 TB6612.1 TB6612.2 | length 846.4
  Bottom Layer w40: M1.4 4035.56,4078.41 4100.98,4078.41 4461.6,4439.04 4511.1,4439.04 4581.81,4509.75 4579.14,4512.42 4578.28,4513.28
M2_N: M2.5 TB6612.7 TB6612.8 | length 609.6
  Bottom Layer w40: 4705.55,4605.21 4648.99,4661.77 4648.99,5018.84 M2.5
M2_P: M2.4 TB6612.11 TB6612.12 | length 474
  Bottom Layer w40: 4776.27,4675.92 4723.23,4728.95 4723.23,4981.73 M2.4
M3_N: M3.5 TB6612FNG.5 TB6612FNG.6 | length 1309.8
  Bottom Layer w40: M3.5 5327.78,3406.66 5464.28,3406.66 5522.26,3464.64 5522.26,3682.43 5356.09,3848.6 5356.09,3876.89 5402.06,3922.85
M3_P: M3.4 TB6612FNG.1 TB6612FNG.2 | length 1244
  Bottom Layer w40: M3.4 5075,3265.24 5119.21,3265.24 5338.3,3484.33 5338.3,3555.04 5405.59,3622.33 5405.59,3728.39 5260.63,3873.35 5260.63,3929.92 5324.27,3993.56
M4_N: M4.5 TB6612FNG.7 TB6612FNG.8 | length 720.4
  Bottom Layer w40: 5433.87,3883.96 5518.73,3968.81 5518.73,4089.02 5709.65,4279.94 5854.58,4279.94 M4.5
M4_P: M4.4 TB6612FNG.11 TB6612FNG.12 | length 640
  Bottom Layer w40: 5508.12,3809.71 5568.23,3869.82 5568.23,4067.81 5720.25,4219.83 5803.32,4219.83 M4.4
Net8050_1: 8050.1 R14.1 | length 73.4
  Top Layer w10: 8050.1 5584.49,4426.31 R14.1
NetC2_1: C2.1 D1.2 L1.1 U2.6 | length 292
  Top Layer w30: U2.6 4643.9,4029.05 C2.1 ; L1.1@4645.38,3908.63 L1.1 4624.17,3922.78 C2.1 ; D1.2 4708.38,3964.57 C2.1
NetC2_2: C2.2 U2.1 | length 90.4
  Top Layer w20: U2.1 4727.17,4060.34 C2.2
NetC10_2: C10.2 C11.2 D2.2 R3.1 U2.5 | length 396.2
  Top Layer w20: D2.2 4423.42,3867.13 4491.59,3935.29 4551.64,3995.35 4551.64,4016.56 U2.5 ; R3.1@4473.62,4076.29 4473.62,3953.25 C10.2
NetD3_2: D3.2 fuse1.2 | length 76
  Top Layer w30: D3.2 4532.01,3394.24 fuse1.2
NetR2_2: R2.2 R4.2 U2.3 | length 144.7
  Top Layer w20: R4.2@4594.94,4197.51 U2.3@4634.84,4157.61 ; R2.2 4667.77,4185.58 U2.3@4637.32,4155.13 ; U2.3@4634.84,4157.61 U2.3 U2.3@4637.32,4155.13 ; U2.3@4634.84,4157.61 U2.3@4637.32,4155.13
NetR3_2: R3.2 U2.4 | length 58.4
  Top Layer w20: R3.2@4513.62,4116.2 U2.4@4554.94,4074.88
NetR9_2: R9.2 RGBLED1.1 | length 66.5
  Top Layer w10: RGBLED1.1 5746.11,4045.49 R9.2@5751.06,4045.49
NetR10_1: R10.1 RGBLED1.2 | length 68.4
  Top Layer w10: R10.1 5655.25,4013.41 RGBLED1.2
NetR11_1: R11.1 RGBLED1.4 | length 62.8
  Top Layer w10: R11.1 5593.73,4027.5 RGBLED1.4
NetR17_2: R17.2 R19.1 | length 60.3
  Bottom Layer w20: R19.1 5071.13,3400.3 R17.2
NetR19_2: R19.2 R20.1 | length 60.3
  Bottom Layer w20: R20.1 5068.92,3483.12 R19.2
OLED_CS: OLED.7 R15.1 U1.53 | length 1068.5
  Top Layer w10: OLED.7 5013.15,4354.18 5013.15,4290.54 4966.31,4243.71 4966.31,4024.69 U1.53
OLED_DC: OLED.6 U1.57 | length 1070.7
  Top Layer w10: OLED.6 4592.42,4633.49 4677.27,4633.49 4868.19,4442.57 4868.19,4272.87 4892.94,4248.12 4892.94,3986.71 U1.57
OLED_RES: OLED.5 U1.59 | length 995.8
  Top Layer w10: OLED.5 4854.05,4230.44 4854.05,3969.92 U1.59
OSC_IN: C1.2 R1.2 U1.5 Y1.2 | length 367.4
  Top Layer w10: C1.2 4670.2,3603.24 Y1.2 4679.79,3638.99 R1.2 4851.06,3638.99 U1.5
OSC_OUT: C3.2 R1.1 U1.6 Y1.1 | length 327.1
  Top Layer w10: C3.2 4744.81,3518.04 Y1.1 4781.55,3531.45 R1.1 4849.1,3609.19 U1.6
PA4: TB6612FNG.16 U1.20 | length 211.8
  Top Layer w10: U1.20 5234.35,3533.94 v1(5239.42,3533.94)
  Bottom Layer w10: v1(5239.42,3533.94) 5246.49,3541.01 5246.49,3642.07 TB6612FNG.16
PA15: U1.50 U6.1 U6.4 | length 1807.8
  Top Layer w10: U6.1 4738.79,5443.13 4595.95,5300.29 U6.4 4760.27,5066.68 4760.27,4945.06 5119.21,4586.11 5119.21,4334.38 5007.75,4222.93 5007.75,4066.77 U1.50
PB3: TB6612.17 U1.55 | length 499.4
  Top Layer w10: v1(4931.83,4393.07) 4931.83,4003.5 U1.55
  Bottom Layer w10: TB6612.17@4890.66,4436.75 4931.83,4395.58 v1(4931.83,4393.07)
PB4: TB6612.21 U1.56 | length 475.6
  Top Layer w10: v1(4903.54,4279.94) 4910.62,4272.87 4910.62,3996.87 U1.56
  Bottom Layer w10: TB6612.21 4812.04,4371.44 v1(4903.54,4279.94)
PB8: TB6612.22 U1.61 | length 883.8
  Top Layer w10: U1.61 4921.22,3847.07 v1(4921.22,3845.07)
  Bottom Layer w10: TB6612.22 5152.82,3993.64 5152.82,3949.38 5048.5,3845.07 v1(4921.22,3845.07)
PB9: U1.62
PB12: TB6612FNG.17 U1.33 | length 204.7
  Top Layer w10: v1(5281.85,3763.55) U1.33
  Bottom Layer w10: TB6612FNG.17 5288.92,3720.68 5288.92,3756.48 v1(5281.85,3763.55)
PC2: TB6612FNG.22 U1.10 | length 267.2
  Top Layer w10: U1.10 v1(5086.72,3735.47)
  Bottom Layer w10: v1(5086.72,3735.47) 5102.94,3751.68 5138.96,3751.68 TB6612FNG.22
PC3: TB6612FNG.21 U1.11 | length 269.7
  Top Layer w10: U1.11 5065.07,3685.97 v1(5080.32,3685.97)
  Bottom Layer w10: v1(5080.32,3685.97) 5109.44,3685.97 TB6612FNG.21
PC10: U1.51 U3.1 U3.4 | length 1736.6
  Top Layer w10: U3.4 4270.68,4975.02 4413.52,5117.86 U3.1 5087.39,4513.28 5087.39,4336.51 4991.75,4240.87 4991.75,4054.93 U1.51
PC13: U1.2 U4.1 U4.4 | length 2154.9
  Top Layer w10: U4.1 3960.97,4665.31 3818.14,4522.47 U4.4 3818.14,4014.77 4313.11,3519.8 4417.76,3519.8 4654.64,3756.68 4712.63,3756.68 4770.73,3698.57 4827.12,3698.57 U1.2
PC14: U1.3 U5.1 U5.4 | length 2120.5
  Top Layer w10: U5.4 3485.8,4190.13 3628.63,4332.97 U5.1 3697.93,4112.35 4308.16,3502.12 4422.71,3502.12 4661.27,3740.68 4700.34,3740.68 4758.45,3682.57 4838.96,3682.57 U1.3
PD2: TB6612.16 U1.54 | length 531.6
  Top Layer w10: v1(4974.26,4357.72) 4974.26,4301.15 4950.31,4277.21 4950.31,4012.85 U1.54
  Bottom Layer w10: TB6612.16 4974.26,4389.34 v1(4974.26,4357.72)
PWM1: TB6612.15 U1.40 | length 850.3
  Top Layer w10: U1.40 5264.61,3940.97 v1(5405.59,4081.95)
  Bottom Layer w10: TB6612.15 5300.16,4099.62 5387.91,4099.62 v1(5405.59,4081.95)
PWM2: TB6612.23 U1.39 | length 695.6
  Top Layer w10: v1(5129.82,3982.95) 5213.76,3899.01 5250.27,3899.01 U1.39
  Bottom Layer w10: TB6612.23 5127.31,3982.95 v1(5129.82,3982.95)
PWM3: TB6612FNG.23 U1.38 | length 192.5
  Top Layer w10: v1(5193.46,3841.53) 5221.74,3869.82 5248.91,3869.82 U1.38
  Bottom Layer w10: TB6612FNG.23 5148.78,3796.85 v1(5193.46,3841.53)
PWM4: TB6612FNG.15 U1.37 | length 304.8
  Top Layer w10: v1(5257.1,3820.32) 5257.1,3850.16 U1.37
  Bottom Layer w10: v1@5257.35,3820.57 5319.78,3758.15 5319.78,3679.16 TB6612FNG.15
RST: C19.2 R8.2 RST?.1 U1.7 | length 1114.8
  Top Layer w10: U1.7 v1(5044.97,3777.22) ; C19.2 5483.37,4251.56 5645.92,4251.56 RST?.1
  Bottom Layer w10: v1(5044.97,3777.22) 5328.48,4060.73 5356.09,4060.73 5380.84,4035.99 5430.34,4035.99 5462.16,4067.81 v1(5462.16,4230.44)
SBUS: R14.2 SBUS.1 | length 259.6
  Top Layer w10: R14.2 5650.65,4383.57 SBUS.1
SBUS_MCU: 8050.3 R12.1 U1.52 | length 816.2
  Top Layer w10: U1.52 5036.32,3982.53 5058.68,3982.53 5101.53,4025.38 5101.53,4096.09 v1(5292.45,4287.01) ; R12.1 5410.54,4405.1 8050.3 v1(5472.77,4467.32)
  Bottom Layer w10: v1(5292.45,4287.01) v1(5472.77,4467.32)
SPI1_MOSI: OLED.4 R18.1 U1.23 | length 1431.9
  Top Layer w10: OLED.4 R18.1@4387.36,4555.71 ; R18.1 4463.72,4557.12 v1(4825.76,4195.08) ; v1(5069.71,3922.85) 5204.07,3788.5 5204.07,3647.74 U1.23
  Bottom Layer w10: v1(4825.76,4195.08) 5069.71,3951.13 v1(5069.71,3922.85)
SPI1_SCK: OLED.3 R16.1 U1.21 | length 1456
  Top Layer w10: OLED.3 R16.1@4318.06,4483.58 ; R16.1 R16.1@4318.06,4483.58 ; v1(4818.69,4138.52) 4473.62,4483.58 R16.1@4318.06,4483.58 ; v1(5027.29,3880.42) 5179.32,3728.39 5179.32,3616.82 U1.21
  Bottom Layer w10: v1(4818.69,4138.52) 5027.29,3929.92 v1(5027.29,3880.42)
SWDCLK: "CLK IO +-.1" U1.49 | length 1404.4
  Top Layer w10: 4854.94,5208.18 4776.27,5129.5 4776.27,4951.69 5147.5,4580.46 5147.5,4340.04 5023.75,4216.3 5023.75,4078.61 U1.49
SWDIO: "CLK IO +-.2" U1.46 | length 1462.9
  Top Layer w10: 4882.78,5180.34 4804.55,5102.11 4804.55,4987.04 5324.27,4467.32 5324.27,4167.89 U1.46
TIM2_CH2: M3.2 U1.15 | length 483.1
  Top Layer w10: v1(4974.26,3388.98) 5027.29,3442.02 5027.29,3463.23 5006.08,3484.44 5006.08,3515.62 U1.15
  Bottom Layer w10: M3.2 4974.26,3387.2 v1(4974.26,3388.98)
TIM3_CH1: M4.2 U1.22 | length 825.7
  Top Layer w10: U1.22 5293.57,3530.4 5351.14,3530.4 v1(5554.08,3733.34)
  Bottom Layer w10: v1(5554.08,3733.34) 5776.82,3956.08 M4.2@5776.82,4021.84
TIM4_CH1: M2.2 U1.58 | length 1198.7
  Top Layer w10: v1(4747.98,4520.35) 4747.98,4370.45 4875.26,4243.17 4875.26,3976.55 U1.58
  Bottom Layer w10: v1(4747.98,4520.35) 4747.98,4541.57 4854.05,4647.63 4854.05,4889.83 M2.2
TIM5_CH1: M1.2 U1.14 | length 1608.9
  Top Layer w10: U1.14 5060.19,3597.58 v1(5062.64,3597.58)
  Bottom Layer w10: M1.2 3793.39,4058.95 3793.39,4018.31 4065.62,3746.07 4914.15,3746.07 v1(5062.64,3597.58)
UART1_RXD: HC05.2 U1.43 | length 750.1
  Top Layer w10: U1.43 5367.81,4127.91 5471.35,4127.91 5522.89,4179.44 5743.67,4179.44 5743.85,4179.26 5861.75,4179.26 HC05.2
UART1_TXD: HC05.3 U1.42 | length 777
  Top Layer w10: U1.42 5379.65,4111.91 5477.98,4111.91 5529.51,4163.44 5737.04,4163.44 5737.22,4163.26 5840.46,4163.26 5858.14,4145.59 5897.67,4145.59 HC05.3
UART2_RXD: HC08.1 U1.17 | length 292.9
  Top Layer w10: U1.17 5179.32,3505.46 5179.32,3459.69 HC08.1 HC08.1@5327.81,3311.2
UART2_TXD: HC08.2 U1.16 | length 377
  Top Layer w10: U1.16 5073.25,3508.52 5073.25,3424.34 HC08.2 HC08.2@5257.1,3240.49
UART3_RXD: OPENMV.2 U1.30 | length 428.4
  Top Layer w10: U1.30 5374.86,3671.83 5398.52,3671.83 5564.69,3838 5656.61,3838 OPENMV.2
UART3_TXD: OPENMV.3 U1.29 | length 403
  Top Layer w10: U1.29 5320.66,3698.77 5363.61,3655.83 5410.8,3655.83 5561.15,3806.18 5618.84,3806.18 OPENMV.3
USB_D+: R13.2 U1.45 USB1.3 | length 1094
  Top Layer w10: USB1.3 5094.42,4838.51 5073.25,4817.34 5073.25,4767.84 5341.95,4499.14 5341.95,4157.72 U1.45
USB_D-: U1.44 USB1.2 | length 1088.6
  Top Layer w10: USB1.2 5098,4805.9 5098,4771.38 5363.16,4506.21 5363.16,4151.1 U1.44
VDDA: C12.2 C13.2 C14.2 R5.1 U1.13 | length 288
  Top Layer w10: R5.1 4897.93,3451.25 4940.01,3493.33 C14.2 4940.01,3505.23 U1.13
pads on no net: "CLK IO +-.A" "CLK IO +-.B" BATTERY.0 BUTTON.1 Designator2.0 Designator3.0 Designator4.0 Designator5.0 HC05.A HC05.B IC1.4 M1.0 M2.0 M3.0 M4.0 OPENMV.A OPENMV.B U1.1 U1.4 U1.24 U1.25 U1.26 U1.27 U1.41 USB1.0 USB1.4

## Polygon pours and split planes (outlines as drawn)
M2_P on Bottom Layer "Bottom Layer-No Net" (solid, pour order 14): 4804.55,4675.92 4776.27,4647.63 4712.63,4711.27 4740.91,4739.56 4804.55,4675.92
M2_N on Bottom Layer "Bottom Layer-No Net" (solid, pour order 12): 4733.84,4605.21 4705.55,4576.92 4641.92,4640.56 4670.2,4668.85 4733.84,4605.21
M1_P on Bottom Layer "Bottom Layer-No Net" (solid, pour order 10): 4624.24,4495.6 4595.95,4467.32 4532.31,4530.96 4560.6,4559.24 4624.24,4495.6
M1_N on Bottom Layer "Bottom Layer-No Net" (solid, pour order 8): 4698.48,4569.85 4666.66,4538.03 4603.02,4601.67 4634.84,4633.49 4698.48,4569.85
M4_N on Bottom Layer "Bottom Layer-No Net" (solid, pour order 6): 5416.2,3838 5387.91,3866.28 5451.55,3929.92 5479.84,3901.64 5416.2,3838
M4_P on Bottom Layer "Bottom Layer-No Net" (solid, pour order 4): 5490.44,3763.75 5462.16,3792.03 5525.8,3855.67 5554.08,3827.39 5490.44,3763.75
M3_N on Bottom Layer "Bottom Layer-No Net" (solid, pour order 2): 5380.84,3873.35 5352.56,3901.64 5416.2,3965.27 5444.48,3936.99 5380.84,3873.35
M3_P on Bottom Layer "Bottom Layer-No Net" (solid, pour order 0): 5306.6,3947.6 5278.31,3975.88 5338.42,4035.99 5366.7,4007.7 5306.6,3947.6
12V_BAT on Bottom Layer "Bottom Layer-No Net" (solid, pour order 16): 5338.42,3668.29 5363.16,3643.54 5299.52,3579.9 5274.78,3604.65 5338.42,3668.29
12V_BAT on Bottom Layer "Bottom Layer-No Net" (solid, pour order 18): 4900.01,4523.89 4931.83,4555.71 4995.47,4492.07 4963.65,4460.25 4900.01,4523.89
GND on Bottom Layer "Bottom Layer-No Net" (solid, pour order 26): 3439.83,4166.8 3429.23,4156.19 3415.09,4142.05 3415.09,4134.98 3415.09,4113.77 3418.62,4110.23 3418.62,4096.09 3429.23,4085.48 4772.73,2741.98 4779.8,2741.98 4790.41,2731.37 4793.94,2727.84 4808.09,2727.84 4829.3,2727.84 4832.83,2731.37 4843.44,2741.98 6186.94,4085.48 6197.55,4096.09 6197.55,4110.23 6197.55,4117.3 6201.09,4120.84 6201.09,4142.05 6186.94,4156.19 4843.44,5499.7 4832.83,5510.3 4829.3,5513.84 4815.16,5513.84 4808.09,5513.84 4804.55,5517.37 4793.94,5506.77 4779.8,5506.77 4762.12,5489.09 3429.23,4156.19 3432.76,4159.73 3439.83,4166.8
GND on Bottom Layer "Bottom Layer-No Net 1" (solid, remove dead copper, pour order 30): 3380,1665 3385,1670 6150,1670 6195,1670 7205,2680 7275,2750 7275,3085 7275,5445 7265,5455 6075,6645 5925,6645 3525,6645 3230,6350 2335,5455 2335,4870 2335,2825 2360,2800 3375,1785 3375,1685
GND on Top Layer "Bottom Layer-No Net" (solid, pour order 24): 3429.23,4156.19 3429.23,4149.12 3415.09,4134.98 3415.09,4106.7 3415.09,4099.62 3422.16,4092.55 3429.23,4085.48 4772.73,2741.98 4783.34,2731.37 4790.41,2731.37 4804.55,2731.37 4808.09,2727.84 4811.62,2731.37 4825.76,2731.37 4832.83,2731.37 4843.44,2741.98 6186.94,4085.48 6186.94,4092.55 6204.62,4110.23 6201.09,4113.77 6201.09,4127.91 6201.09,4142.05 6194.01,4149.12 6186.94,4156.19 4843.44,5499.7 4825.76,5517.37 4818.69,5517.37 4804.55,5517.37 4801.01,5513.84 4786.87,5513.84 4772.73,5499.7 3429.23,4156.19
GND on Top Layer "Bottom Layer-No Net 1" (solid, remove dead copper, pour order 28): 2345,2845 3455,1735 3455,1640 6180,1640 6210,1670 7355,2815 7370,2815 7370,5525 7345,5550 6210,6685 5940,6685 3495,6685 3440,6630 2305,5495 2305,5405 2305,2885 2345,2845

## Keep-outs
Keep-Out Layer:
  the board outline again, w10

## Silkscreen, mask and mechanical layers (free items; w line width, h text height)
Top Overlay:
  drawing of 11061 lines, arcs and shapes, not listed
  text "微信公众号： 飞觞醉月" at 2635,2710 h180
  text "QQ群：923703530" at 2890,2510 h180
  text "XXL  2019-11-21" at 5840,2455 h120 r45

## Text inside footprints (layer, text, board x,y; h text height)
BATTERY: Top Overlay "+" at 4228.26,3944.06 h120 r135; Top Overlay "-" at 3973.7,4177.41 h120 r135
OLED: Top Overlay "CS" at 4624.24,4693.59 h80 r45; Top Overlay "+" at 4281.29,4421.36 h160 r225; Top Overlay "-" at 4196.44,4336.51 h160 r225